# Altium PCB icaRUSv0.2.PcbDoc (part 2 of 2)
Units mm, origin at the board's own origin, x right, y up, seen from the top; angles counter-clockwise.
Board outline 84 x 83.99 mm, 2 copper layers (Top Layer, Bottom Layer); 111 components, 57 nets, 328 pads, 1315 vias.
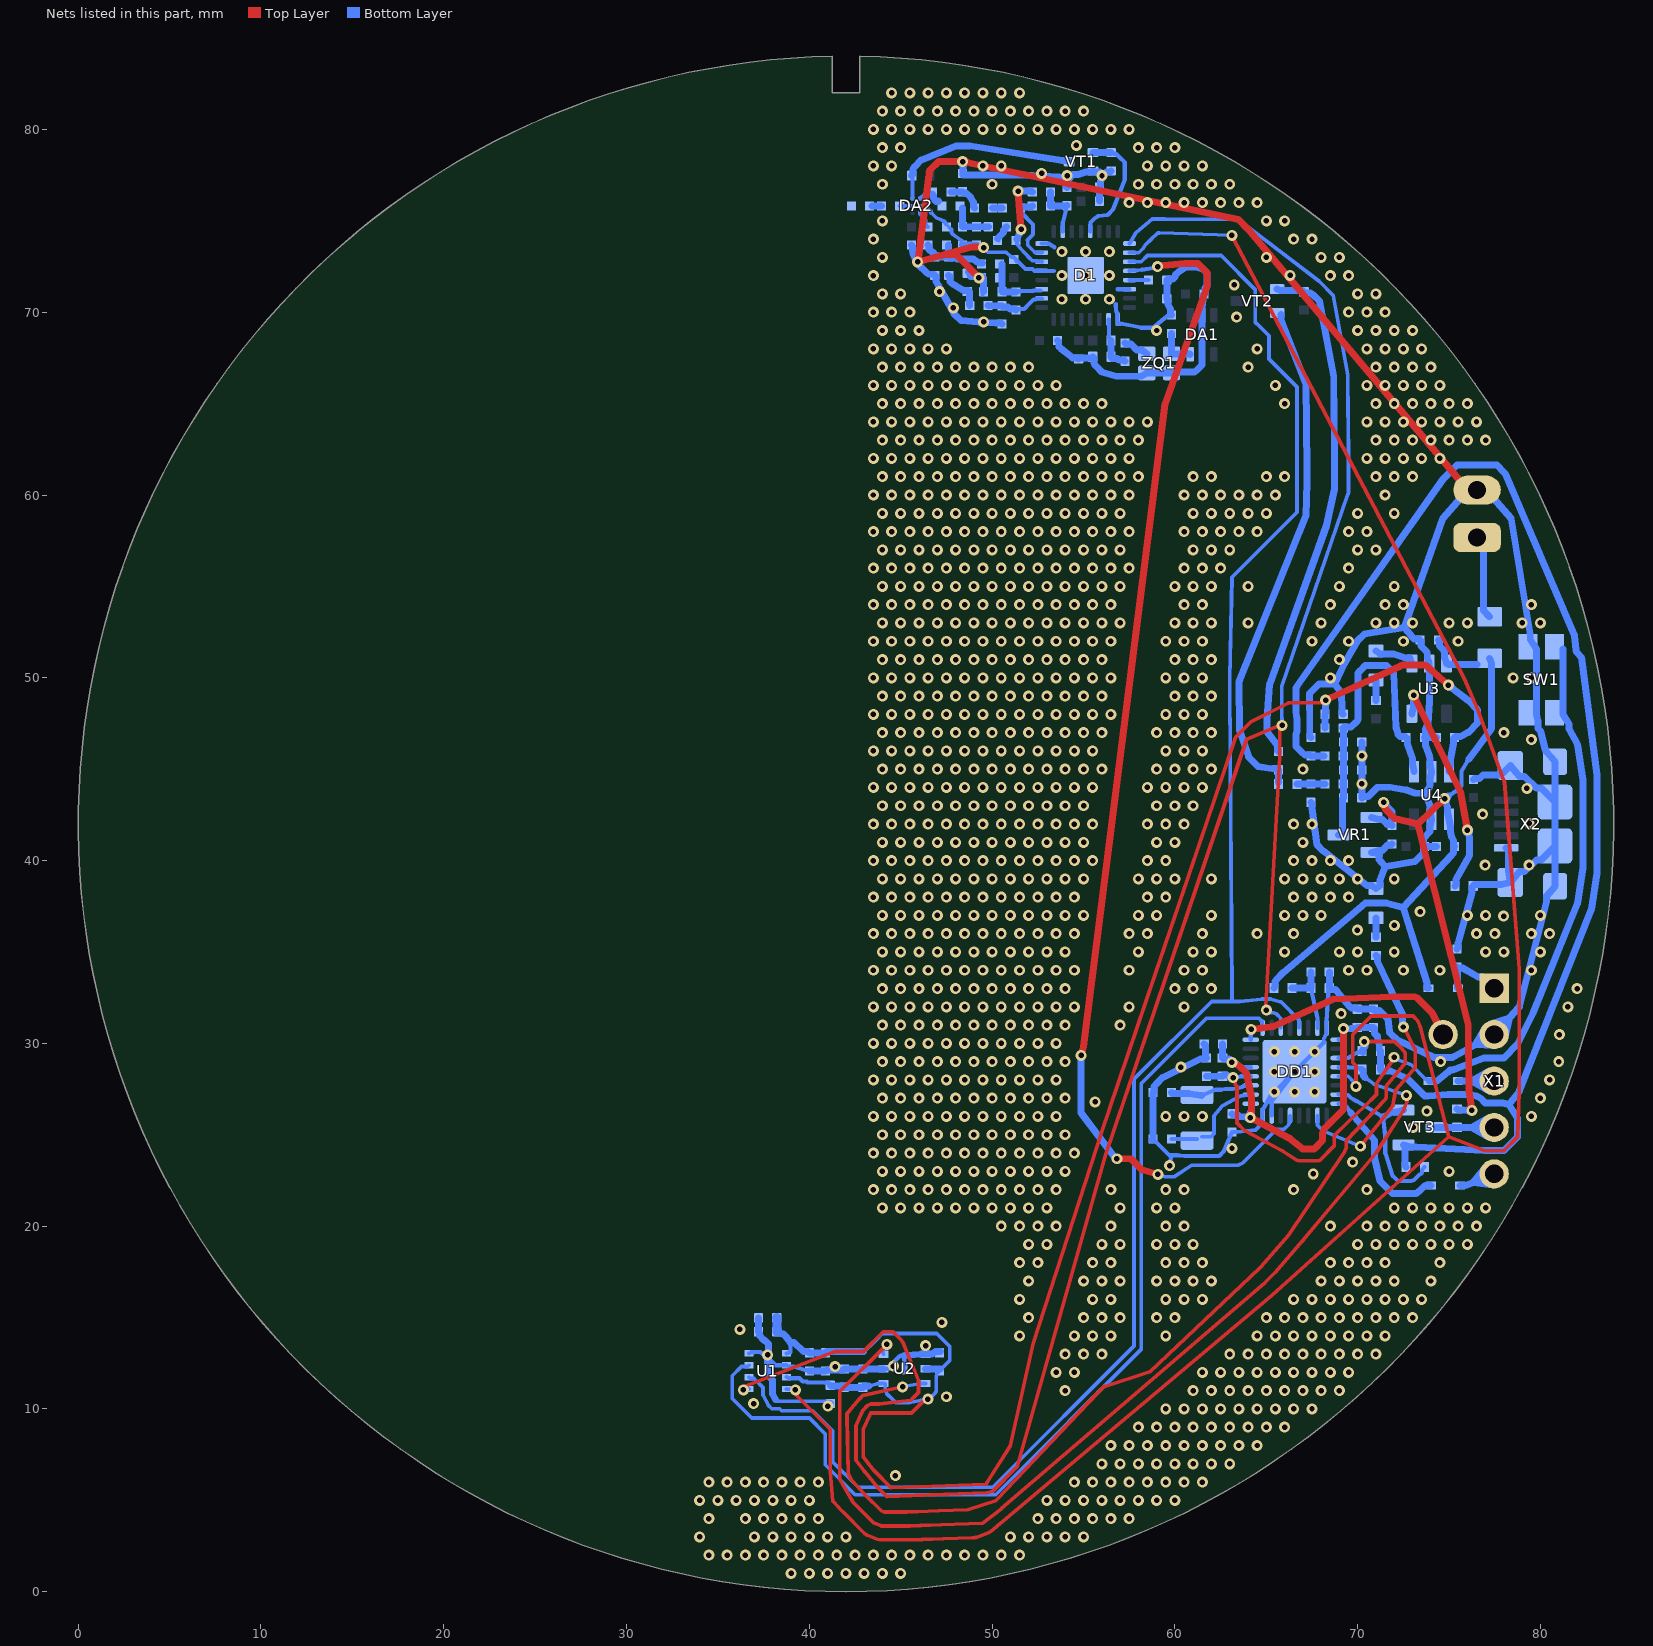
[diagram p2: the nets of this part, all layers, seen from the top]

## Via types
v1: diameter 0.6, hole 0.3, Top Layer to Bottom Layer, tented both sides, 1312 vias
v2: diameter 1, hole 0, Top Layer to Bottom Layer, 3 vias

## Nets (pads, with @x,y where several pads share a name; then routed paths per layer and width w, separated by ;. In a path a pad name is that pad's centre, name@x,y a point inside that pad or via, vN(x,y) a via of type N, cw(c..) or ccw(c..) an arc to the next point about the centre after c; other vN are vias at no path point) (continued)
GND: C1.2 C2.1 C3.1 C4.1 C5.2 C6.1 C7.2 C8.1 C9.1 C10.1 C11.2 C12.1 C13.1 C14.2 C15.1 C16.2 C17.1 C18.1 C19.1 C20.1 C21.1 C22.2 C23.1 C25.1 C26.1 C28.1 C31.1 C34.1 C35.1 C36.2 C38.2 C39.2 C41.2 C42.2 C43.2 C44.2 C45.2 C47.1 C49.2 C50.2 C51.2 C52.2 C53.2 C54.2 C55.2 C56.1 C57.1 C58.2 D1.14 D1.17 D1.29 D1.32 D1.33 DA1.2 DA2.2 DD1.16 DD1.31 DD1.32 DD1.33 GB1.2 HL1.2 L4.2 L5.1 L10.1 L13.1 R3.1 R5.2 R7.1 SW1.1_1 SW1.1_2 U1.1 U1.7 U2.2 U2.4 U2.DIEPAD U3.2 U4.2 U4.5 VR1.2 VT1.2 X1.2 X2.5 X2.6 X2.7 X2.8 X2.9 X2.10 X2.11 ZQ1.1 ZQ1.2 | length 271.9
  Top Layer w0.381: v1@45.834,72.81 v1@45.962,73.013 ; v1@45.945,72.86 v1@46.012,72.849 ; v1@45.998,72.667 v1@46.182,72.821 ; v1@46.032,72.784 v1@46.012,72.849 ; v1@48.154,78.243 v1@48.376,78.334 ; v1@48.368,78.135 v1@48.154,78.243 ; v1@48.442,78.125 v1@48.676,78.178 ; v1@48.483,78.321 v1@48.676,78.178 ; v1(49.28,71.884) 48.013,73.152 47.387,73.152 ; v1@49.53,73.533 49.486,73.577 48.94,73.577 47.387,73.152 ; GB1.2@76.529,60.275 76.029,60.275 63.983,74.565 63.472,75.076 v1@48.676,78.178 ; v1@45.962,73.013 46.584,77.746 47.095,78.257 47.817,78.257 v1@48.154,78.243 ; v1@45.962,73.013 45.927,72.751 v1@46.182,72.821 ; v1@45.962,73.013 v1@46.012,72.849 ; v1@46.012,72.849 v1@46.182,72.821 ; v1@46.182,72.821 47.254,73.115 47.387,73.152 ; v1@48.154,78.243 48.418,78.233 v1@48.676,78.178
  Bottom Layer w0.2: DA2.2@46.047,75.819 46.313,75.819 ; 46.669,75.442 46.938,75.173 47.396,74.969 ; 49.755,73.279 50.756,73.279 50.957,73.111 51.02,73.049 C21.1@51.058,73.026 ; DD1.33@68.152,30.092 68.152,30.276 68.198,30.322 68.198,30.374 68.223,30.399 68.223,30.434 68.298,30.509 DD1.16@68.298,30.848
  Bottom Layer w0.203: 38.151,10.507 38.24,10.418 41,10.418 41.021,10.397 v1(41.021,10.16) ; C35.1@47.625,74.668 47.714,74.579 47.773,74.52 47.773,74.346 47.836,74.283 47.875,74.247 47.912,74.211 48.328,73.926 48.328,73.824 L13.1@48.387,73.676 ; L4.2@49.478,70.972 L4.2@49.538,71.12
  Bottom Layer w0.229: U1.1@36.694,13.04 36.83,13.101 36.991,13.101 37.189,13.121 37.327,13.105 v1@37.701,12.731 ; v1@37.757,12.789 38.156,12.39 U1.7@38.744,12.39 38.88,12.329 39.166,12.329 39.755,12.133 39.869,12.133 C6.1@40.005,12.073 ; U2.2@44.062,12.192 44.337,12.192 44.452,12.344 44.564,12.497 44.621,12.564 44.698,12.642 44.698,12.646 44.91,12.858 45,12.916 ; 45.163,12.847 45.012,12.916 45.163,12.985 ; U2.DIEPAD@45.212,12.192 45.195,12.383 45.195,12.733 45.264,12.884 ; 46.313,75.819 46.35,75.81 46.638,75.522 46.669,75.442 ; 47.396,74.969 47.426,74.939 47.426,74.897 C35.1@47.498,74.803 ; C36.2@49.149,73.676 49.197,73.655 C36.2@49.285,73.616 ; C21.1@51.058,73.026 51.172,73.026 51.444,72.754 51.826,72.372 52.217,72.372 52.319,72.27 52.707,72.27 D1.29@52.718,72.259 53.368,72.259 ; D1.32@52.718,73.759 53.068,73.759 53.115,73.748 53.165,73.7 53.392,73.568 53.41,73.551 ; 56.765,70.45 56.78,70.08 56.807,70.053 56.807,70.005 56.868,69.959 D1.17@56.868,69.609 56.879,69.373 57.04,69.373 58.14,69.155 58.799,69.155 59.567,69.782 59.681,69.782 C17.1@59.817,69.842 ; 56.868,71.259 D1.14@57.518,71.259 ; C49.2@58.936,24.638 59.698,23.876 59.819,23.876 ; v1(59.711,23.307) 59.733,23.415 59.739,23.442 59.819,23.876 ; DD1.31@65.298,26.048 65.298,26.812 65.612,27.223 65.646,27.268 v1(66.548,28.448) ; DD1.33@68.172,30.072 v1(67.648,29.548) v1(66.548,28.448) ; DD1.16@68.298,30.848 68.298,31.173 68.385,32.745 68.385,32.859 R7.1@68.445,33.02 ; 59.819,23.876 60.142,23.876 60.511,23.844 62.425,23.844 62.682,24.101 C41.2@63.119,25.146 63.255,25.148 63.369,25.148 64.402,25.268 64.798,25.664 DD1.32@64.798,26.048 64.798,26.373 65.253,27.153 v1(65.448,27.348) v1(66.548,28.448)
  Bottom Layer w0.381: C11.2@37.211,14.224 37.211,14.978 C16.2@37.219,14.986 ; C11.2@37.219,14.224 37.279,14.165 37.279,14.007 37.502,13.784 37.534,13.784 37.757,13.56 v1@37.757,12.789 ; v1@37.701,12.731 37.701,11.874 37.989,11.584 37.99,11.463 37.99,10.82 38.151,10.507 ; C6.1@40.005,12.073 C18.1@40.894,12.073 40.954,12.128 41.851,12.128 C22.2@41.91,12.184 C14.2@42.926,12.184 42.986,12.192 U2.2@44.062,12.192 ; C13.1@41.14,10.295 C13.1@41.148,10.287 ; 45.195,12.916 46.087,12.992 U2.4@46.362,12.992 46.637,12.992 46.716,13.001 46.915,13.14 C20.1@47.184,13.14 ; C47.1@45.593,73.668 45.653,73.608 45.653,73.339 45.661,73.181 v1@45.788,72.976 ; v1@45.818,72.737 45.808,72.82 v1@45.788,72.976 ; v1@45.862,72.663 v1@46.041,72.53 ; v1@45.988,72.843 v1@45.788,72.976 ; v1@46.037,72.753 46.039,72.666 v1@46.041,72.53 ; v1@46.342,13.493 46.355,13.48 U2.4@46.355,13.081 ; v1@48.318,78.187 v1@48.418,77.969 ; L13.1@48.387,73.676 C36.2@49.149,73.676 ; C34.1@48.418,77.514 v1@48.418,77.969 ; v1@48.418,78.233 v1@48.418,77.969 ; C34.1@48.446,77.495 51.78,77.495 53.684,77.402 53.931,77.268 54.042,77.156 54.042,76.887 C28.1@54.102,76.827 54.161,76.887 54.161,77.156 54.174,77.271 54.436,77.534 54.7,77.534 55.135,77.672 55.404,77.672 VT1.2@55.514,77.732 55.624,77.672 55.893,77.672 56.005,77.561 v1@56.039,77.361 ; v1@48.518,78.187 v1@48.418,77.969 ; L10.1@48.708,72.188 48.768,72.128 48.827,71.941 49.478,71.941 49.538,71.882 L4.2@49.538,71.12 ; L5.1@50.546,69.35 50.487,69.41 50.217,69.41 49.276,69.471 49.262,69.471 48.289,69.537 47.954,69.871 46.922,71.688 46.922,71.957 C38.2@46.863,72.017 46.803,72.077 46.534,72.077 46.376,72.195 v1@46.041,72.53 ; C2.1@53.586,68.453 53.646,68.394 53.646,68.124 53.757,68.013 54.408,67.505 54.678,67.505 C10.1@54.737,67.445 54.797,67.505 55.447,67.505 R3.1@55.507,67.564 55.567,67.479 55.567,67.21 55.685,67.052 56.02,66.717 56.79,66.496 58.182,66.496 ZQ1.2@58.467,66.675 ZQ1.1@59.817,66.675 60.102,66.72 61.07,66.72 61.219,66.841 61.483,67.105 DA1.2@61.483,69.841 61.483,70.241 61.527,70.664 61.527,70.933 C5.2@61.587,70.993 61.647,71.052 61.647,71.322 61.752,71.429 61.752,72.136 61.528,72.359 61.184,72.473 60.612,72.473 60.219,72.229 60.02,72.03 59.996,71.926 59.884,71.815 59.615,71.815 C25.1@59.555,71.755 C19.1@59.555,70.739 59.615,70.68 59.615,70.41 59.757,70.171 59.757,69.902 C17.1@59.817,69.842 ; C12.1@55.872,76.073 C15.1@55.872,76.835 55.932,76.895 55.932,77.164 v1@56.039,77.361 ; C26.1@56.515,77.732 56.456,77.672 56.265,77.672 56.206,77.624 56.123,77.541 56.059,77.381 v1@56.039,77.361 ; C49.2@58.749,24.706 C49.2@58.809,24.765 58.81,24.825 58.81,26.101 58.796,26.123 58.796,27.246 C50.2@58.809,27.305 58.869,27.365 58.869,27.634 58.987,27.792 59.322,28.127 61.393,29.142 61.663,29.142 C39.2@61.722,29.202 61.663,29.262 61.663,29.452 61.663,29.722 61.663,29.913 C44.2@61.603,29.972 ; C23.1@67.437,43.188 67.497,43.128 67.497,42.859 67.779,40.865 68.113,40.531 70.521,38.626 70.791,38.626 HL1.2@71,38.467 71.21,38.626 71.21,38.896 71.506,39.679 ; C43.2@67.437,46.728 67.378,46.788 67.378,47.972 67.374,48.423 67.374,49.146 67.885,49.656 68.737,49.662 ; C56.1@68.445,33.909 R7.1@68.445,33.02 68.505,32.935 68.774,32.935 68.886,32.824 69.537,32.04 69.648,31.929 69.918,31.929 C42.2@69.977,31.869 C45.2@70.866,31.869 70.926,31.809 71.195,31.809 71.307,31.698 71.658,31.344 71.75,30.651 71.75,30.606 72.19,30.166 74.16,29.234 75.192,29.234 75.281,29.284 76.453,29.942 ; C7.2@69.207,48.006 69.147,48.065 69.147,48.335 69.118,49.146 68.737,49.662 ; C3.1@70.223,46.482 C8.1@70.223,44.958 C1.2@70.223,43.434 70.283,43.493 70.552,43.493 71.073,44.012 71.762,44.012 72.65,43.86 72.664,43.86 73.129,43.69 73.635,43.659 ; C51.2@71.882,40.91 71.823,40.85 71.632,40.85 71.574,40.801 71.491,40.718 71.491,40.694 71.408,40.611 71.35,40.561 71.159,40.561 VR1.2@70.75,40.452 71.159,40.342 71.159,40.073 71.506,39.679 ; C54.2@74.303,40.767 74.243,40.767 73.712,40.767 C53.2@73.652,40.767 ; C9.1@74.303,46.736 C52.2@73.652,46.736 ; C57.1@75.438,35.171 75.497,35.231 75.497,35.5 76.259,38.254 76.259,38.523 R5.2@76.319,38.608 76.379,38.693 77.84,38.693 X2.8@78.35,38.8 ; C55.2@76.327,44.442 76.387,44.502 76.656,44.502 76.849,44.693 77.84,44.693 X2.7@78.35,45.2 78.859,44.591 79.129,44.591 79.771,43.96 80.041,43.96 X2.11@80.8,43.2 ; X1.2@76.943,30.786 76.453,29.942 ; X1.2@77.275,31.058 78.317,31.409 ; X1.2@77.426,29.872 76.453,29.942 ; X1.2@78.063,30.339 78.317,31.409 ; X2.5@78.125,40.7 78.237,40.691 78.237,39.409 X2.8@78.35,38.8 ; v1@45.788,72.976 45.927,72.751 v1@46.041,72.53 ; 68.737,49.662 69.276,50.786 70.029,52.06 70.363,52.395 72.551,52.752 ; 71.506,39.679 71.546,39.679 73.139,39.945 73.474,40.28 73.592,40.438 73.592,40.707 C53.2@73.652,40.767 ; 72.551,52.752 74.658,58.712 76.029,60.275 GB1.2@76.529,60.275 77.029,60.275 78.401,58.712 79.44,52.363 79.44,52.094 79.775,51.584 79.775,47.984 79.857,47.66 79.857,47.227 80.002,47.082 80.269,46.017 80.328,45.949 X2.6@80.8,45.4 X2.11@80.8,43.2 ; 72.551,52.752 72.973,52.241 73.085,52.129 73.354,52.129 C4.1@73.414,52.07 73.474,52.01 73.474,51.741 73.739,51.475 73.805,51.357 73.805,51.088 U3.2@73.914,50.778 73.929,50.468 73.929,48.695 73.835,47.482 73.712,47.206 73.712,46.795 C52.2@73.652,46.736 ; 73.635,43.659 73.936,43.097 73.936,43.052 73.956,42.94 73.956,42.67 U4.5@74.041,42.261 73.956,41.852 73.956,41.582 73.592,41.208 73.592,40.826 C53.2@73.652,40.767 ; 73.635,43.659 73.938,44.024 73.956,44.182 73.956,44.452 U4.2@74.041,44.861 73.956,45.27 73.956,45.54 73.938,45.698 73.712,46.266 73.712,46.676 C52.2@73.652,46.736 ; 76.453,29.942 X1.2@77.47,30.48 78.317,31.409 ; 78.317,31.409 78.842,31.983 80.34,37.796 80.34,38.065 X2.9@80.8,38.6 X2.10@80.8,40.8 ; X2.8@78.35,38.8 78.859,39.409 79.129,39.409 79.771,40.04 80.041,40.04 X2.10@80.8,40.8 ; X2.10@80.8,40.8 X2.11@80.8,43.2
  other v1: 39,1 40,1 41,1 42,1 43,1 44,1 45,1 34.5,2 35.5,2 36.5,2 37.5,2 38.5,2 39.5,2 40.5,2 41.5,2 42.5,2 43.5,2 44.5,2 45.5,2 46.5,2 47.5,2 48.5,2 49.5,2 50.5,2 51.5,2 34,3 37,3 38,3 39,3 40,3 41,3 42,3 51,3 52,3 53,3 54,3 55,3 34.5,4 36.5,4 37.5,4 38.5,4 39.5,4 40.5,4 52.5,4 53.5,4 54.5,4 55.5,4 56.5,4 57.5,4 34,5 35,5 36,5 37,5 38,5 39,5 40,5 53,5 54,5 55,5 56,5 57,5 58,5 59,5 60,5 34.5,6 35.5,6 36.5,6 37.5,6 38.5,6 39.5,6 40.5,6 54.5,6 55.5,6 56.5,6 57.5,6 58.5,6 59.5,6 60.5,6 61.5,6 44.704,6.35 56,7 57,7 58,7 59,7 60,7 61,7 62,7 63,7 56.5,8 57.5,8 58.5,8 59.5,8 60.5,8 61.5,8 62.5,8 63.5,8 64.5,8 58,9 59,9 60,9 61,9 62,9 63,9 64,9 65,9 66,9 59.5,10 60.5,10 61.5,10 62.5,10 63.5,10 64.5,10 65.5,10 66.5,10 67.5,10 36.957,10.287 47.498,10.668 54,11 61,11 62,11 63,11 64,11 65,11 66,11 67,11 68,11 69,11 53.5,12 54.5,12 61.5,12 62.5,12 63.5,12 64.5,12 65.5,12 66.5,12 67.5,12 68.5,12 69.5,12 41.406,12.321 44.592,12.349 37.723,12.956 54,13 55,13 56,13 63,13 64,13 65,13 66,13 67,13 68,13 69,13 70,13 71,13 46.359,13.464 51.5,14 54.5,14 55.5,14 56.5,14 59.5,14 64.5,14 65.5,14 66.5,14 67.5,14 68.5,14 69.5,14 70.5,14 71.5,14 36.199,14.353 47.248,14.734 52,15 55,15 56,15 57,15 59,15 60,15 65,15 66,15 67,15 68,15 69,15 70,15 71,15 72,15 73,15 51.5,16 55.5,16 56.5,16 59.5,16 60.5,16 61.5,16 66.5,16 67.5,16 68.5,16 69.5,16 70.5,16 71.5,16 72.5,16 73.5,16 52,17 55,17 56,17 57,17 59,17 60,17 61,17 62,17 68,17 69,17 70,17 71,17 72,17 74,17 51.5,18 52.5,18 55.5,18 56.5,18 59.5,18 60.5,18 61.5,18 68.5,18 69.5,18 70.5,18 71.5,18 74.5,18 52,19 53,19 56,19 57,19 59,19 60,19 61,19 70,19 71,19 72,19 73,19 74,19 75,19 76,19 50.5,20 51.5,20 52.5,20 53.5,20 56.5,20 59.5,20 60.5,20 68.5,20 70.5,20 71.5,20 72.5,20 73.5,20 74.5,20 75.5,20 76.5,20 44,21 45,21 46,21 47,21 48,21 49,21 50,21 51,21 52,21 53,21 57,21 59,21 60,21 72,21 73,21 74,21 75,21 76,21 77,21 43.5,22 44.5,22 45.5,22 46.5,22 47.5,22 48.5,22 49.5,22 50.5,22 51.5,22 52.5,22 53.5,22 56.5,22 59.5,22 60.5,22 66.5,22 70.5,22 67.568,22.862 44,23 45,23 46,23 47,23 48,23 49,23 50,23 51,23 52,23 53,23 54,23 75,23 69.727,23.497 43.5,24 44.5,24 45.5,24 46.5,24 47.5,24 48.5,24 49.5,24 50.5,24 51.5,24 52.5,24 53.5,24 54.5,24 63.123,24.259 44,25 45,25 46,25 47,25 48,25 49,25 50,25 51,25 52,25 53,25 54,25 73.029,25.402 43.5,26 44.5,26 45.5,26 46.5,26 47.5,26 48.5,26 49.5,26 50.5,26 51.5,26 52.5,26 53.5,26 59.5,26 60.5,26 61.5,26 79.5,26 73.791,26.291 55.63,26.799 44,27 45,27 46,27 47,27 48,27 49,27 50,27 51,27 52,27 53,27 54,27 80,27 65.448,27.348 66.548,27.348 66.548,27.348 67.648,27.348 67.648,27.348 43.5,28 44.5,28 45.5,28 46.5,28 47.5,28 48.5,28 49.5,28 50.5,28 51.5,28 52.5,28 53.5,28 80.5,28 65.448,28.448 65.448,28.448 66.548,28.448 67.648,28.448 67.648,28.448 60.329,28.704 44,29 45,29 46,29 47,29 48,29 49,29 50,29 51,29 52,29 53,29 54,29 74.531,28.997 81,29 65.448,29.548 65.448,29.548 66.548,29.548 66.548,29.548 67.648,29.548 43.5,30 44.5,30 45.5,30 46.5,30 47.5,30 48.5,30 49.5,30 50.5,30 51.5,30 52.5,30 53.5,30 81.03,30.482 44,31 45,31 46,31 47,31 48,31 49,31 50,31 51,31 52,31 53,31 54,31 57,31 69.092,31.625 43.5,32 44.5,32 45.5,32 46.5,32 47.5,32 48.5,32 49.5,32 50.5,32 51.5,32 52.5,32 53.5,32 54.5,32 57.5,32 60.5,32 81.5,32 44,33 45,33 46,33 47,33 48,33 49,33 50,33 51,33 52,33 53,33 54,33 60,33 61,33 62,33 82,33 43.5,34 44.5,34 45.5,34 46.5,34 47.5,34 48.5,34 49.5,34 50.5,34 51.5,34 52.5,34 53.5,34 54.5,34 57.5,34 60.5,34 61.5,34 69.5,34 70.5,34 72.5,34 74.5,34 79.5,34 44,35 45,35 46,35 47,35 48,35 49,35 50,35 51,35 52,35 53,35 54,35 58,35 61,35 62,35 66,35 69,35 70,35 72,35 77,35 78,35 80,35 43.5,36 44.5,36 45.5,36 46.5,36 47.5,36 48.5,36 49.5,36 50.5,36 51.5,36 52.5,36 53.5,36 54.5,36 57.5,36 58.5,36 61.5,36 64.5,36 66.5,36 76.5,36 77.5,36 79.5,36 80.5,36 69.981,36.197 72.013,36.451 77.982,36.959 44,37 45,37 46,37 47,37 48,37 49,37 50,37 51,37 52,37 53,37 54,37 55,37 58,37 59,37 62,37 66,37 67,37 68,37 76,37 77,37 80,37 73.41,37.213 43.5,38 44.5,38 45.5,38 46.5,38 47.5,38 48.5,38 49.5,38 50.5,38 51.5,38 52.5,38 53.5,38 54.5,38 58.5,38 59.5,38 66.5,38 67.5,38 68.5,38 69.5,38 44,39 45,39 46,39 47,39 48,39 49,39 50,39 51,39 52,39 53,39 54,39 55,39 58,39 59,39 60,39 62,39 66,39 67,39 68,39 69,39 70,39 72,39 76.966,39.753 79.379,39.753 43.5,40 44.5,40 45.5,40 46.5,40 47.5,40 48.5,40 49.5,40 50.5,40 51.5,40 52.5,40 53.5,40 54.5,40 55.5,40 58.5,40 59.5,40 66.5,40 67.5,40 68.5,40 69.5,40 44,41 45,41 46,41 47,41 48,41 49,41 50,41 51,41 52,41 53,41 54,41 55,41 59,41 60,41 67,41 43.5,42 44.5,42 45.5,42 46.5,42 47.5,42 48.5,42 49.5,42 50.5,42 51.5,42 52.5,42 53.5,42 54.5,42 55.5,42 58.5,42 59.5,42 60.5,42 66.5,42 67.5,42 79.379,42.039 76.839,42.547 44,43 45,43 46,43 47,43 48,43 49,43 50,43 51,43 52,43 53,43 54,43 55,43 59,43 60,43 61,43 79.252,43.944 43.5,44 44.5,44 45.5,44 46.5,44 47.5,44 48.5,44 49.5,44 50.5,44 51.5,44 52.5,44 53.5,44 54.5,44 55.5,44 58.5,44 59.5,44 60.5,44 61.5,44 70.235,44.198 44,45 45,45 46,45 47,45 48,45 49,45 50,45 51,45 52,45 53,45 54,45 55,45 56,45 59,45 60,45 61,45 62,45 67,45 70.235,45.722 43.5,46 44.5,46 45.5,46 46.5,46 47.5,46 48.5,46 49.5,46 50.5,46 51.5,46 52.5,46 53.5,46 54.5,46 55.5,46 59.5,46 60.5,46 61.5,46 79.506,46.611 44,47 45,47 46,47 47,47 48,47 49,47 50,47 51,47 52,47 53,47 54,47 55,47 56,47 59,47 60,47 61,47 62,47 78,47 43.5,48 44.5,48 45.5,48 46.5,48 47.5,48 48.5,48 49.5,48 50.5,48 51.5,48 52.5,48 53.5,48 54.5,48 55.5,48 56.5,48 59.5,48 60.5,48 61.5,48 44,49 45,49 46,49 47,49 48,49 49,49 50,49 51,49 52,49 53,49 54,49 55,49 56,49 60,49 61,49 62,49 43.5,50 44.5,50 45.5,50 46.5,50 47.5,50 48.5,50 49.5,50 50.5,50 51.5,50 52.5,50 53.5,50 54.5,50 55.5,50 56.5,50 59.5,50 60.5,50 61.5,50 68.5,50 78.5,50 79.5,50 44,51 45,51 46,51 47,51 48,51 49,51 50,51 51,51 52,51 53,51 54,51 55,51 56,51 60,51 61,51 62,51 69,51 43.5,52 44.5,52 45.5,52 46.5,52 47.5,52 48.5,52 49.5,52 50.5,52 51.5,52 52.5,52 53.5,52 54.5,52 55.5,52 56.5,52 59.5,52 60.5,52 61.5,52 67.5,52 69.5,52 72.5,52 75.5,52 44,53 45,53 46,53 47,53 48,53 49,53 50,53 51,53 52,53 53,53 54,53 55,53 56,53 57,53 60,53 61,53 62,53 64,53 68,53 71,53 72,53 73,53 75,53 76,53 79,53 80,53 43.5,54 44.5,54 45.5,54 46.5,54 47.5,54 48.5,54 49.5,54 50.5,54 51.5,54 52.5,54 53.5,54 54.5,54 55.5,54 56.5,54 60.5,54 61.5,54 68.5,54 71.5,54 72.5,54 79.5,54 44,55 45,55 46,55 47,55 48,55 49,55 50,55 51,55 52,55 53,55 54,55 55,55 56,55 57,55 60,55 61,55 62,55 64,55 69,55 72,55 43.5,56 44.5,56 45.5,56 46.5,56 47.5,56 48.5,56 49.5,56 50.5,56 51.5,56 52.5,56 53.5,56 54.5,56 55.5,56 56.5,56 57.5,56 60.5,56 61.5,56 62.5,56 69.5,56 44,57 45,57 46,57 47,57 48,57 49,57 50,57 51,57 52,57 53,57 54,57 55,57 56,57 57,57 61,57 62,57 63,57 70,57 71,57 43.5,58 44.5,58 45.5,58 46.5,58 47.5,58 48.5,58 49.5,58 50.5,58 51.5,58 52.5,58 53.5,58 54.5,58 55.5,58 56.5,58 57.5,58 60.5,58 61.5,58 62.5,58 63.5,58 64.5,58 69.5,58 70.5,58 44,59 45,59 46,59 47,59 48,59 49,59 50,59 51,59 52,59 53,59 54,59 55,59 56,59 57,59 61,59 62,59 63,59 64,59 65,59 70,59 72,59 43.5,60 44.5,60 45.5,60 46.5,60 47.5,60 48.5,60 49.5,60 50.5,60 51.5,60 52.5,60 53.5,60 54.5,60 55.5,60 56.5,60 57.5,60 60.5,60 61.5,60 62.5,60 63.5,60 64.5,60 65.5,60 71.5,60 44,61 45,61 46,61 47,61 48,61 49,61 50,61 51,61 52,61 53,61 54,61 55,61 56,61 57,61 58,61 61,61 62,61 65,61 66,61 71,61 72,61 73,61 43.5,62 44.5,62 45.5,62 46.5,62 47.5,62 48.5,62 49.5,62 50.5,62 51.5,62 52.5,62 53.5,62 54.5,62 55.5,62 56.5,62 57.5,62 70.5,62 71.5,62 72.5,62 73.5,62 74.5,62 44,63 45,63 46,63 47,63 48,63 49,63 50,63 51,63 52,63 53,63 54,63 55,63 56,63 57,63 58,63 71,63 72,63 73,63 74,63 75,63 76,63 77,63 43.5,64 44.5,64 45.5,64 46.5,64 47.5,64 48.5,64 49.5,64 50.5,64 51.5,64 52.5,64 53.5,64 54.5,64 55.5,64 56.5,64 57.5,64 58.5,64 70.5,64 71.5,64 72.5,64 73.5,64 74.5,64 75.5,64 76.5,64 44,65 45,65 46,65 47,65 48,65 49,65 50,65 51,65 52,65 53,65 54,65 55,65 56,65 66,65 71,65 72,65 73,65 74,65 75,65 76,65 43.5,66 44.5,66 45.5,66 46.5,66 47.5,66 48.5,66 49.5,66 50.5,66 51.5,66 52.5,66 53.5,66 65.5,66 70.5,66 71.5,66 72.5,66 73.5,66 74.5,66 44,67 45,67 46,67 47,67 48,67 49,67 50,67 51,67 52,67 64,67 71,67 72,67 73,67 74,67 43.5,68 44.5,68 45.5,68 46.5,68 47.5,68 64.5,68 70.5,68 71.5,68 72.5,68 73.5,68 44,69 45,69 46,69 59,69 70,69 71,69 72,69 73,69 49.534,69.471 63.377,69.725 43.5,70 44.5,70 45.5,70 69.5,70 70.5,70 71.5,70 47.883,70.233 53.818,70.709 53.818,70.709 55.118,70.709 55.118,70.709 56.418,70.709 56.418,70.709 44,71 45,71 70,71 71,71 47.121,71.122 63.246,71.501 43.5,72 53.818,72.009 53.818,72.009 55.118,72.009 55.118,72.009 56.418,72.009 56.418,72.009 66.298,72.011 68.5,72 69.5,72 45.927,72.749 44,73 65,73 68,73 69,73 53.818,73.309 53.818,73.309 55.118,73.309 55.118,73.309 56.418,73.309 56.418,73.309 49.534,73.535 43.5,74 66.5,74 67.5,74 44,75 65,75 66,75 57.5,76 58.5,76 59.5,76 60.5,76 61.5,76 62.5,76 63.5,76 64.5,76 44,77 50,77 58,77 59,77 60,77 61,77 62,77 63,77 54.106,77.472 56.011,77.472 52.709,77.599 43.5,78 44.5,78 49.5,78 50.5,78 58.5,78 59.5,78 60.5,78 61.5,78 48.391,78.234 44,79 45,79 58,79 59,79 60,79 54.614,79.123 43.5,80 44.5,80 45.5,80 46.5,80 47.5,80 48.5,80 49.5,80 50.5,80 51.5,80 52.5,80 53.5,80 54.5,80 55.5,80 56.5,80 57.5,80 44,81 45,81 46,81 47,81 48,81 49,81 50,81 51,81 52,81 53,81 54,81 55,81 44.5,82 45.5,82 46.5,82 47.5,82 48.5,82 49.5,82 50.5,82 51.5,82
I2C_SCL: DD1.19 R15.2 U2.6 | length 56.6
  Top Layer w0.2: v1(45.1,11.206) 42.93,10.736 42.739,10.545 42.146,9.835 42.058,9.747 42.058,9.578 42.133,6.433 42.293,6.135 43.051,5.313 43.065,5.298 43.933,4.43 44.096,4.363 45.33,4.363 45.931,4.384 47.072,4.426 48.659,4.483 50.191,4.971 50.284,5.064 55.772,10.877 56.123,11.228 58.621,12.028 64.64,17.703 64.707,17.771 66.215,19.506 69.258,24.011 69.38,24.305 69.38,24.689 71.497,26.921 71.559,27.072 71.559,27.656 72.609,28.931 72.609,29.464 72.4,29.728 72.009,30.099 v1(70.358,30.099)
  Bottom Layer w0.2: v1(45.1,11.206) 46.008,11.383 46.087,11.392 U2.6@46.362,11.392 ; v1@45.126,11.313 45.359,11.257 v1@45.164,11.117 ; R15.2@70.231,29.718 R15.2@70.338,29.771
  Bottom Layer w0.229: DD1.19@68.948,29.198 69.273,29.198 69.48,29.198 69.989,29.506 70.103,29.506 R15.2@70.239,29.591
  Bottom Layer w0.381: R15.2@70.239,29.591 R15.2@70.299,29.506 ; v1@70.28,30.023 v1@70.394,29.906 ; R15.2@70.338,29.771 70.394,29.827 v1@70.394,29.906 ; v1(70.358,30.099) v1@70.394,29.906 ; v1@70.459,30.056 v1@70.394,29.906
I2C_SDA: DD1.20 R14.2 U2.3 | length 55.7
  Top Layer w0.2: v1(44.245,13.529) 41.656,10.94 41.656,6.16 42.406,4.88 42.419,4.866 43.502,3.784 43.944,3.601 45.481,3.601 46.082,3.622 47.223,3.663 49.47,3.745 50.502,4.539 50.509,4.545 58.779,11.628 64.939,16.924 65.469,17.455 66.977,19.19 71.017,24.011 72.459,26.253 72.488,26.302 72.698,26.807 72.706,26.839 72.671,27.15 v1(72.665,27.15)
  Bottom Layer w0.2: U2.3@44.062,12.992 44.054,13.002 44.054,13.192 44.228,13.538 44.237,13.538 v1(44.245,13.529) ; 70.299,28.3 R14.2@70.299,28.49 ; 70.414,28.118 70.891,27.767 v1(72.665,27.15)
  Bottom Layer w0.229: DD1.20@68.948,28.698 69.48,28.698 69.989,28.66 70.103,28.66 R14.2@70.239,28.575
  Bottom Layer w0.381: R14.2@70.239,28.575 R14.2@70.299,28.49 ; 70.299,28.3 70.307,28.225 70.414,28.118
LDO_PA: C28.2 D1.2 L6.2 L7.1 | length 3.1
  Bottom Layer w0.229: D1.2@53.868,74.409 53.868,74.759 53.868,74.914 54.042,75.577 54.042,75.691 C28.2@54.102,75.827
  Bottom Layer w0.381: L7.1@53.197,76.581 53.197,76.522 53.197,76.331 53.197,76.069 53.197,75.878 L6.2@53.197,75.819 53.257,75.823 53.447,75.823 53.852,75.823 54.042,75.823 C28.2@54.102,75.827
LED_RED: DD1.26 R6.2 | length 15.2
  Top Layer w0.2: v1(70.145,24.372) 71.927,26.6 72.071,27.399 72.124,27.48 73.153,28.706 73.153,29.689 73.098,29.747 72.771,30.415 72.647,30.646 v1(72.501,30.896)